# KiCad board dya-panelized.kicad_pcb
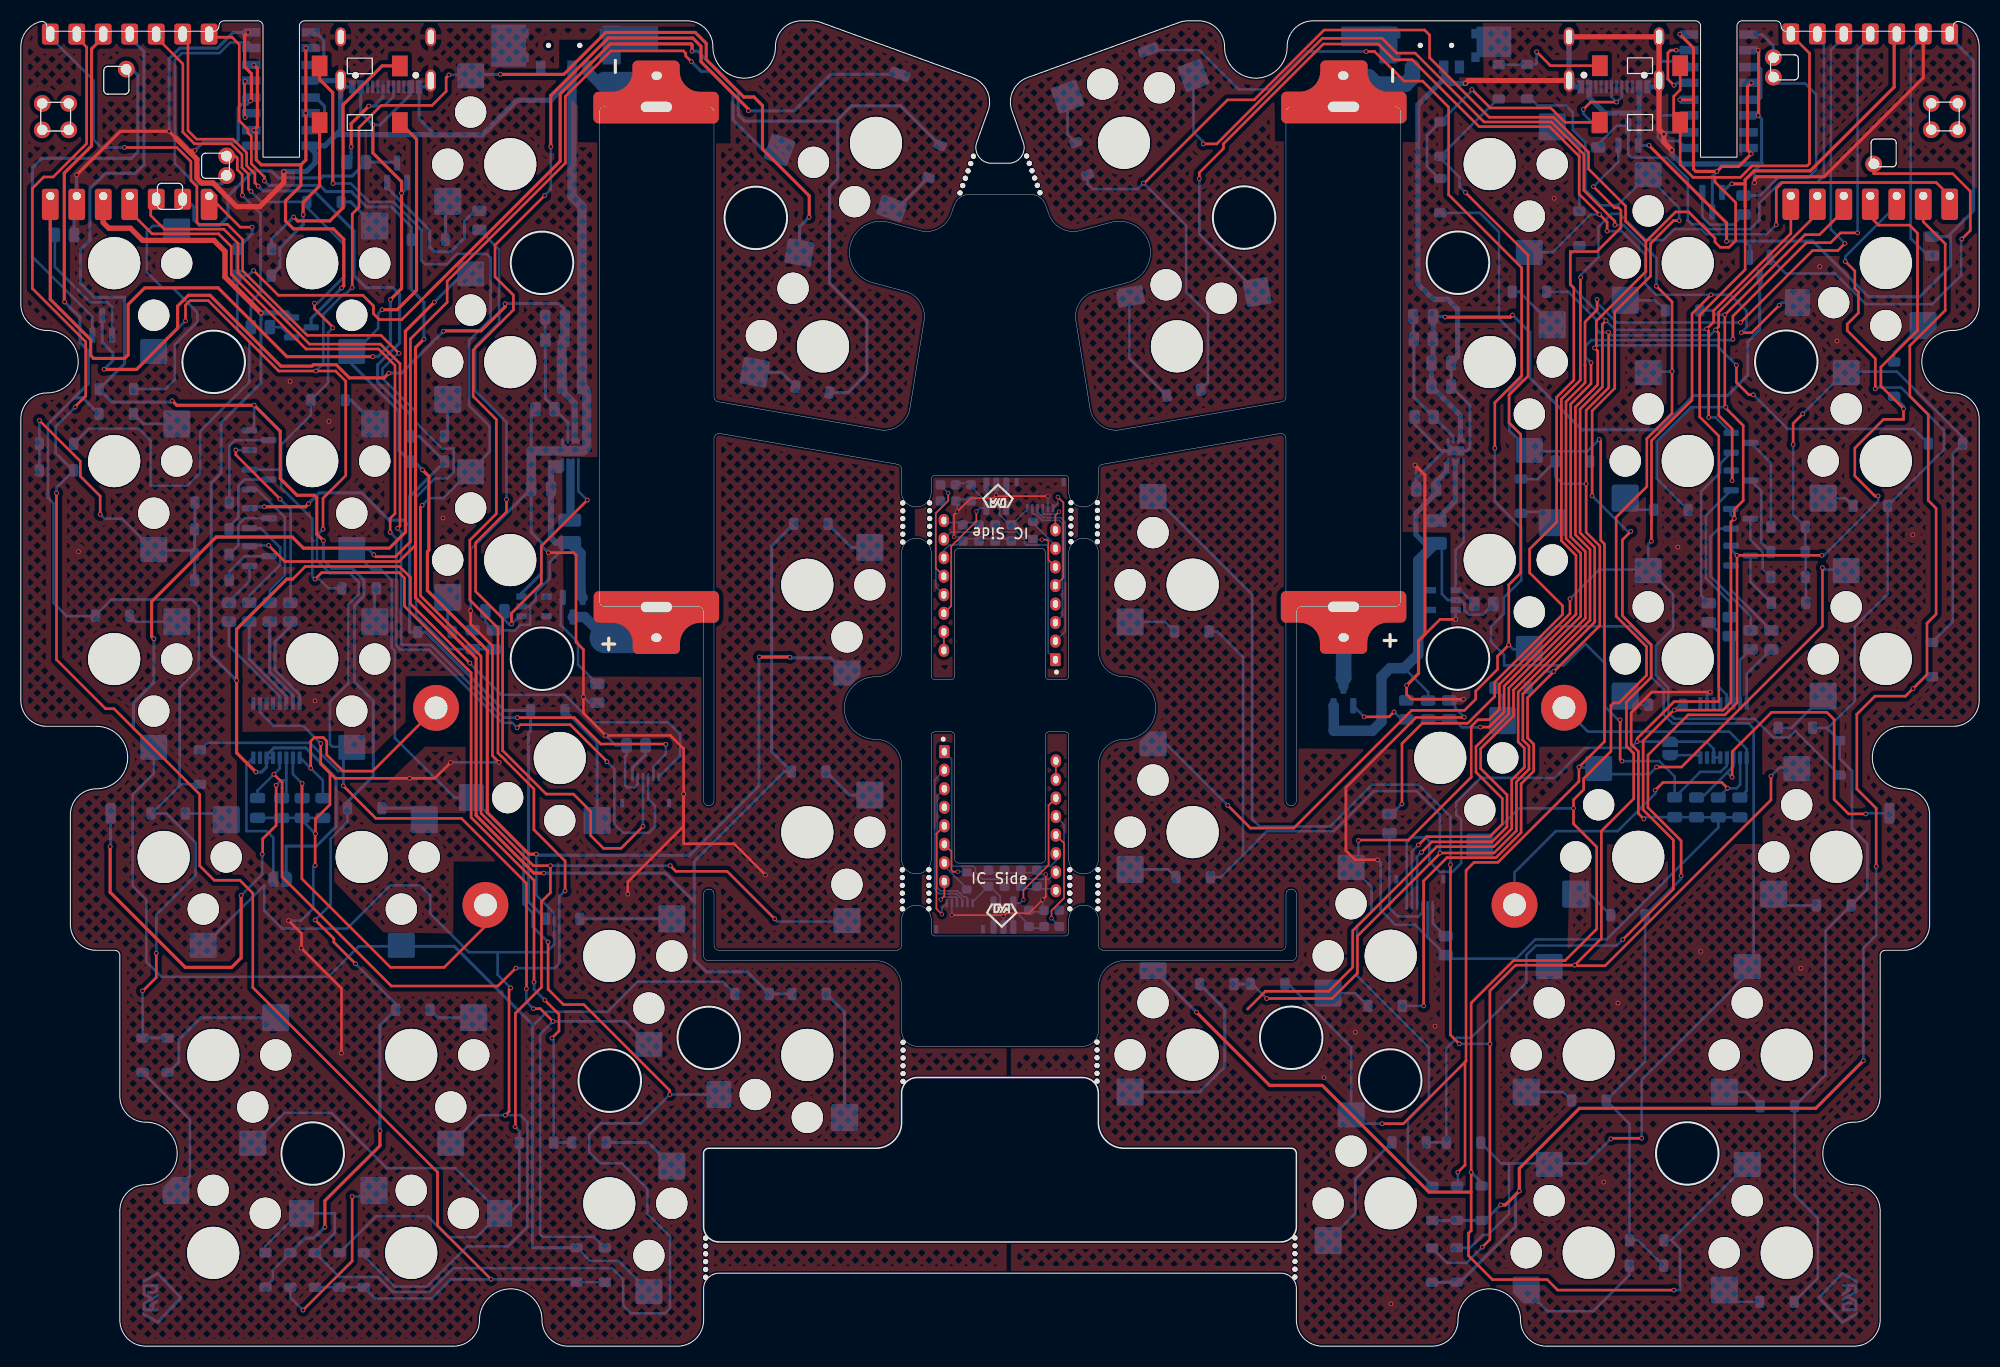
[diagram p0: board, top side]
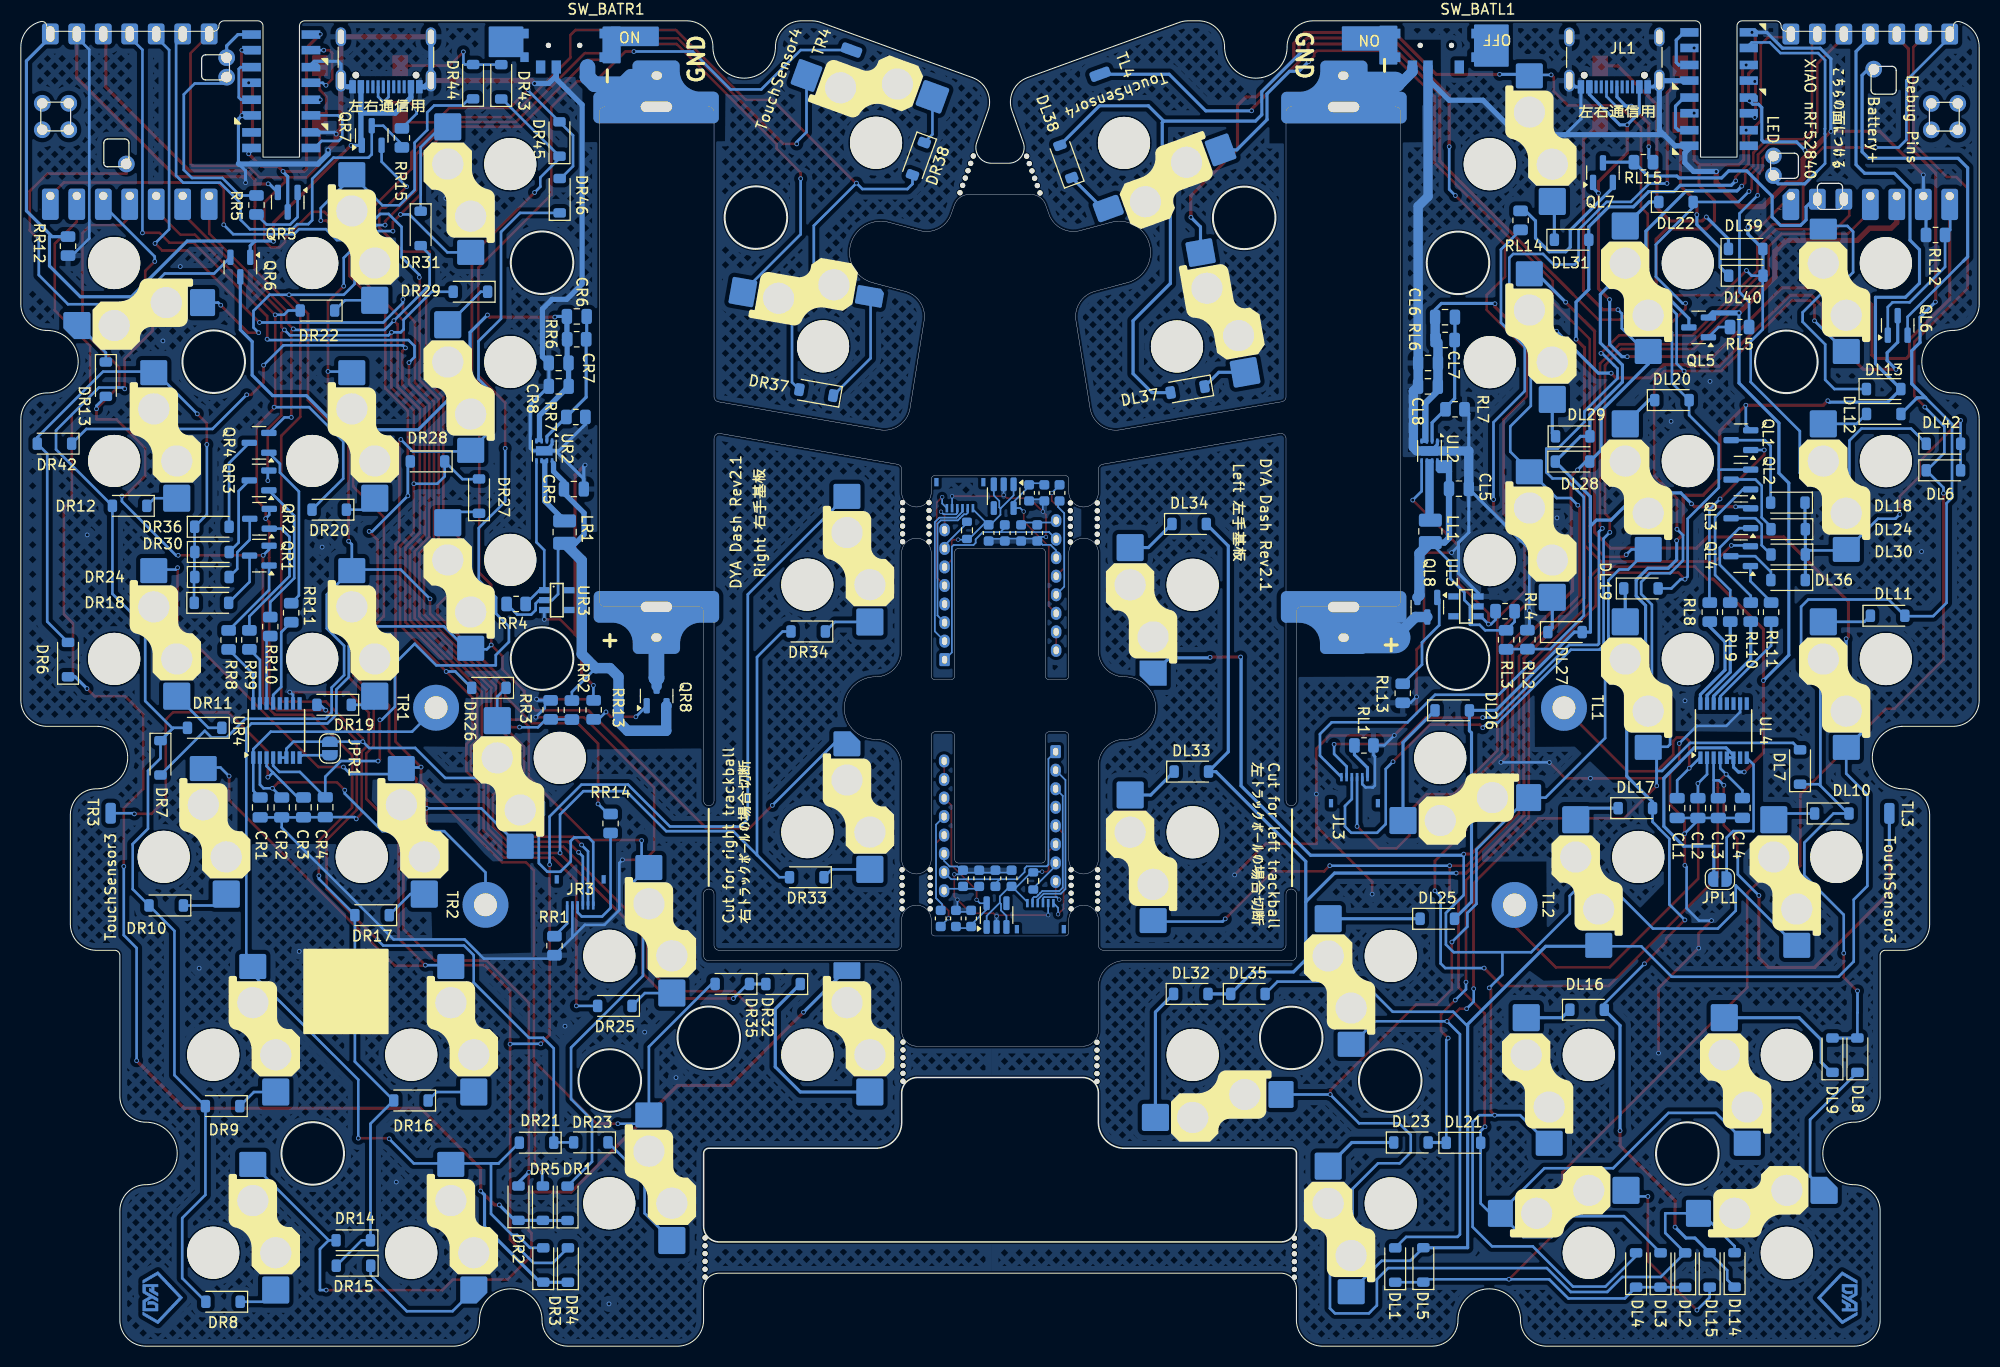
[diagram p1: board, bottom side, seen from below]

Outline 187.88 x 127.22 mm; copper layers: Top, Bottom. Coordinates in mm from the lower left corner of the outline.
Outline path: outline of 128 points within 15.5,91.49 21.5,97.49 closed ; outline of 128 points within 25,15.49 31,21.49 closed ; outline of 128 points within 47,100.99 53,106.99 closed ; outline of 128 points within 47,62.99 53,68.99 closed ; outline of 128 points within 53.5,22.49 59.5,28.49 closed ; outline of 128 points within 63,26.59 69,32.59 closed ; outline of 128 points within 67.51,105.3 73.51,111.3 closed ; outline of 128 points within 114.36,105.33 120.36,111.33 closed ; outline of 128 points within 118.87,26.6 124.87,32.6 closed ; outline of 128 points within 128.38,22.5 134.38,28.5 closed ; outline of 128 points within 134.87,101 140.87,107 closed ; outline of 128 points within 134.87,63 140.87,69 closed ; outline of 128 points within 156.88,15.5 162.88,21.5 closed ; outline of 128 points within 166.38,91.5 172.38,97.5 closed ; outline of 202 points within 65.5,10 122.37,25.79 closed ; outline of 282 points within 65.5,28.79 122.38,43.38 closed ; outline of 538 points within 79,45.33 108.88,77.56 closed ; outline of 544 points within 55.5,52.38 132.37,118.97 closed ; outline of 1754 points within 0,0 187.88,127.22 closed
Stack: Top 0.035mm / dielectric 1.51mm FR4 er 4.5 / Bottom 0.035mm

## Placement (name value [footprint] x y rotation side)
C1  100nF  [C_0603_1608Metric]  92.83 44.91 90 bottom
C3  10uF X7R  [C_0603_1608Metric]  95.94 44.91 90 bottom
C4  10nF X7R  [C_0603_1608Metric]  97.49 44.91 90 bottom
C5  100nF X7R  [C_0603_1608Metric]  99.63 41.06 90 bottom
C6  10nF  [C_0603_1608Metric]  94.38 44.91 90 bottom
C7  10uF  [C_0603_1608Metric]  98.17 41.06 90 bottom
C8  100nF  [C_0603_1608Metric]  96.71 41.06 90 bottom
CL1  ~  [C_0805_2012Metric]  28.97 51.65 270 bottom
CL2  ~  [C_0805_2012Metric]  26.98 51.65 270 bottom
CL3  ~  [C_0805_2012Metric]  25.02 51.65 270 bottom
CL4  ~  [C_0805_2012Metric]  22.71 51.66 270 bottom
CL5  10uF  [C_0805_2012Metric]  49.91 82.31 180 bottom
CL6  20pF  [C_0805_2012Metric]  51.24 98.77 180 bottom
CL7  10uF  [C_0805_2012Metric]  52.87 94.37 0 bottom
CL8  10uF  [C_0805_2012Metric]  52.88 92.13 0 bottom
CR1  ~  [C_0805_2012Metric]  164.92 51.71 270 bottom
CR2  ~  [C_0805_2012Metric]  162.85 51.71 270 bottom
CR3  ~  [C_0805_2012Metric]  160.76 51.72 270 bottom
CR4  ~  [C_0805_2012Metric]  158.67 51.73 270 bottom
CR5  10uF  [C_0805_2012Metric]  134.82 82.27 180 bottom
CR6  20pF  [C_0805_2012Metric]  134.54 98.84 180 bottom
CR7  10uF  [C_0805_2012Metric]  136.28 94.37 0 bottom
CR8  10uF  [C_0805_2012Metric]  136.27 92.13 0 bottom
DL1  D  [D_SOD-123]  56.02 7.78 90 bottom
DL2  D  [D_SOD-123]  28.2 7.3 90 bottom
DL3  D  [D_SOD-123]  30.56 7.31 90 bottom
DL4  D  [D_SOD-123]  32.91 7.31 90 bottom
DL5  D  [D_SOD-123]  53.32 7.8 90 bottom
DL6  D  [D_SOD-123]  3.43 84.07 180 bottom
DL7  D  [D_SOD-123]  17.18 55.59 90 bottom
DL8  D  [D_SOD-123]  11.68 27.93 90 bottom
DL9  D  [D_SOD-123]  14.07 27.93 90 bottom
DL10  D  [D_SOD-123]  14.14 51.13 180 bottom
DL11  D  [D_SOD-123]  8.78 70.11 180 bottom
DL12  D  [D_SOD-123]  9.16 89.48 180 bottom
DL13  D  [D_SOD-123]  9.16 91.87 180 bottom
DL14  D  [D_SOD-123]  23.46 7.32 90 bottom
DL15  D  [D_SOD-123]  25.85 7.31 90 bottom
DL16  D  [D_SOD-123]  37.62 32.29 180 bottom
DL17  D  [D_SOD-123]  32.98 51.64 180 bottom
DL18  D  [D_SOD-123]  18.36 80.97 0 bottom
DL19  D  [D_SOD-123]  32.45 72.73 180 bottom
DL20  D  [D_SOD-123]  29.48 90.81 180 bottom
DL21  D  [D_SOD-123]  49.47 19.52 180 bottom
DL22  D  [D_SOD-123]  29.09 109.83 180 bottom
DL23  D  [D_SOD-123]  54.51 19.55 180 bottom
DL24  D  [D_SOD-123]  18.32 78.42 0 bottom
DL25  D  [D_SOD-123]  51.99 41.02 180 bottom
DL26  D  [D_SOD-123]  50.55 61.03 180 bottom
DL27  D  [D_SOD-123]  39.73 68.54 180 bottom
DL28  D  [D_SOD-123]  39.01 84.91 180 bottom
DL29  D  [D_SOD-123]  38.99 87.33 180 bottom
DL30  D  [D_SOD-123]  18.32 75.99 0 bottom
DL31  D  [D_SOD-123]  39.1 106.2 180 bottom
DL32  D  [D_SOD-123]  75.64 33.81 180 bottom
DL33  D  [D_SOD-123]  75.59 55.15 180 bottom
DL34  D  [D_SOD-123]  75.79 78.92 180 bottom
DL35  D  [D_SOD-123]  70.16 33.81 180 bottom
DL36  D  [D_SOD-123]  18.33 73.54 0 bottom
DL37  D  [D_SOD-123]  75.94 91.82 350 bottom
DL38  D  [D_SOD-123]  87.62 113.72 70 bottom
DL39  D  [D_SOD-123]  22.4 105.32 180 bottom
DL40  D  [D_SOD-123]  22.38 102.75 180 bottom
DL42  D  [D_SOD-123]  3.43 86.62 180 bottom
DR1  D  [D_SOD-123]  135.42 13.71 90 bottom
DR2  D  [D_SOD-123]  140.14 13.72 90 bottom
DR3  D  [D_SOD-123]  137.76 7.79 90 bottom
DR4  D  [D_SOD-123]  135.39 7.78 90 bottom
DR5  D  [D_SOD-123]  137.79 13.72 90 bottom
DR6  D  [D_SOD-123]  183.35 65.9 90 bottom
DR7  D  [D_SOD-123]  174.48 56.47 270 bottom
DR8  D  [D_SOD-123]  168.48 4.26 0 bottom
DR9  D  [D_SOD-123]  168.52 23.04 0 bottom
DR10  D  [D_SOD-123]  173.93 42.3 0 bottom
DR11  D  [D_SOD-123]  170.24 59.35 0 bottom
DR12  D  [D_SOD-123]  177.44 80.66 0 bottom
DR13  D  [D_SOD-123]  179.72 92.82 270 bottom
DR14  D  [D_SOD-123]  155.98 10.16 0 bottom
DR15  D  [D_SOD-123]  155.96 7.72 0 bottom
DR16  D  [D_SOD-123]  150.45 23.58 0 bottom
DR17  D  [D_SOD-123]  154.18 41.37 0 bottom
DR18  D  [D_SOD-123]  169.59 71.35 180 bottom
DR19  D  [D_SOD-123]  157.82 61.56 0 bottom
DR20  D  [D_SOD-123]  158.29 80.29 0 bottom
DR21  D  [D_SOD-123]  138.4 19.53 0 bottom
DR22  D  [D_SOD-123]  159.42 99.41 0 bottom
DR23  D  [D_SOD-123]  133.19 19.56 0 bottom
DR24  D  [D_SOD-123]  169.54 73.83 180 bottom
DR25  D  [D_SOD-123]  130.89 32.66 0 bottom
DR26  D  [D_SOD-123]  142.97 63.19 0 bottom
DR27  D  [D_SOD-123]  143.92 81.59 90 bottom
DR28  D  [D_SOD-123]  148.86 84.92 0 bottom
DR29  D  [D_SOD-123]  144.74 101.21 0 bottom
DR30  D  [D_SOD-123]  169.54 76.23 180 bottom
DR31  D  [D_SOD-123]  149.52 107.29 270 bottom
DR32  D  [D_SOD-123]  114.75 34.76 0 bottom
DR33  D  [D_SOD-123]  112.48 45.01 0 bottom
DR34  D  [D_SOD-123]  112.34 68.6 0 bottom
DR35  D  [D_SOD-123]  119.62 34.77 0 bottom
DR36  D  [D_SOD-123]  169.55 78.65 180 bottom
DR37  D  [D_SOD-123]  111.56 91.53 10 bottom
DR38  D  [D_SOD-123]  101.77 113.98 290 bottom
DR42  D  [D_SOD-123]  184.65 86.63 0 bottom
DR43  D  [D_SOD-123]  141.79 121.36 90 bottom
DR44  D  [D_SOD-123]  144.49 121.38 90 bottom
DR45  D  [D_SOD-123]  136.2 115.87 90 bottom
DR46  D  [D_SOD-123]  136.18 110.43 90 bottom
J1  Conn_01x06_Pin  [JUSHUO-AFH34-S06FIA-1H]  90.07 42.53 180 bottom
JL1  USB_C_Receptacle_USB2.0_14P  [USB_C_Receptacle_G-Switch_GT-USB-7010ASV]  35 124.6 0 bottom
JL3  Conn_01x04  [JUSHUO-AFH34-S06FIA-1H]  59.93 54.62 180 bottom
JL4  Conn_01x02_Pin  [AAA-battery]  60.97 94.95 90 top
JPL1  Jumper_2_Open  [SolderJumper-2_P1.3mm_Open_RoundedPad1.0x1.5mm]  24.87 44.83 0 bottom
JPR1  Jumper_2_Open  [SolderJumper-2_P1.3mm_Open_RoundedPad1.0x1.5mm]  158.23 57.37 90 bottom
JR1  USB_C_Receptacle_USB2.0_14P  [USB_C_Receptacle_G-Switch_GT-USB-7010ASV]  152.85 124.61 0 bottom
JR3  Conn_01x04  [JUSHUO-AFH34-S06FIA-1H]  134.21 42.31 0 bottom
JR4  Conn_01x02_Pin  [AAA-battery]  126.9 94.96 90 bottom
LED_L1  SK6812  [LED_SK6812MINI-E_BL#2]  24.95 125.36 180 bottom
LED_L2  SK6812  [LED_SK6812MINI-E_BL#2]  24.95 122.23 0 bottom
LED_L3  SK6812  [LED_SK6812MINI-E_BL#2]  24.95 119.1 180 bottom
LED_L4  SK6812  [LED_SK6812MINI-E_BL#2]  24.95 115.97 0 bottom
LED_R1  SK6812  [LED_SK6812MINI-E_BL]  162.9 125.15 0 bottom
LED_R2  SK6812  [LED_SK6812MINI-E_BL]  162.9 122.02 180 bottom
LED_R3  SK6812  [LED_SK6812MINI-E_BL]  162.9 118.89 0 bottom
LED_R4  SK6812  [LED_SK6812MINI-E_BL]  162.9 115.76 180 bottom
LL1  0.47uH  [L_1008_2520Metric]  52.65 78.21 90 bottom
LR1  0.47uH  [L_1008_2520Metric]  135.71 78.14 90 bottom
NOREF  -  [unnamed]  100.63 43.48 0 top
P2_C1  100nF  [C_0603_1608Metric]  95.03 78.06 270 bottom
P2_C3  10uF X7R  [C_0603_1608Metric]  91.92 78.06 270 bottom
P2_C4  10nF X7R  [C_0603_1608Metric]  90.37 78.06 270 bottom
P2_C5  100nF X7R  [C_0603_1608Metric]  88.23 81.91 270 bottom
P2_C6  10nF  [C_0603_1608Metric]  93.48 78.06 270 bottom
P2_C7  10uF  [C_0603_1608Metric]  89.69 81.91 270 bottom
P2_C8  100nF  [C_0603_1608Metric]  91.15 81.91 270 bottom
P2_J1  Conn_01x06_Pin  [JUSHUO-AFH34-S06FIA-1H]  97.79 80.44 0 bottom
P2_R1  51kΩ  [R_0603_1608Metric]  97.11 78.31 270 bottom
P2_U1  PMW3610  [PMW3610DM-SUDU 16Pin]  93.9 72.07 270 top
P2_U2  TLV70018_SOT23-5  [SOT-23-5]  93.58 81.59 270 bottom
QL1  Q_PMOS_GSD  [SOT-23]  22.85 86.97 0 bottom
QL2  Q_PMOS_GSD  [SOT-23]  22.86 83.19 0 bottom
QL3  Q_PMOS_GSD  [SOT-23]  22.86 79.47 0 bottom
QL4  Q_PMOS_GSD  [SOT-23]  22.88 75.83 0 bottom
QL5  Q_PMOS_GSD  [SOT-23]  26.91 97.79 0 bottom
QL6  Q_PMOS_GSD  [SOT-23]  7.81 97.98 90 bottom
QL7  Q_PMOS_GSD  [SOT-23]  36.09 112.64 90 bottom
QL8  Q_PMOS_GSD  [SOT-23]  52.94 70.93 270 bottom
QR1  Q_PMOS_GSD  [SOT-23]  165 75.88 0 bottom
QR2  Q_PMOS_GSD  [SOT-23]  164.98 79.42 0 bottom
QR3  Q_PMOS_GSD  [SOT-23]  165.02 83.1 0 bottom
QR4  Q_PMOS_GSD  [SOT-23]  165.02 86.71 0 bottom
QR5  Q_PMOS_GSD  [SOT-23]  162.27 109.81 270 bottom
QR6  Q_PMOS_GSD  [SOT-23]  166.82 103.58 270 bottom
QR7  Q_PMOS_GSD  [SOT-23]  154.21 116.21 90 bottom
QR8  Q_PMOS_GSD  [SOT-23]  126.88 62.41 90 bottom
R1  51kΩ  [R_0603_1608Metric]  90.75 44.66 90 bottom
Ref**  Val**  [Mouse_Bite_Hole]  97.15 112.46 110 top
Ref**#2  Val**  [Mouse_Bite_Hole]  84.64 27.27 90 top
Ref**#3  Val**  [Mouse_Bite_Hole]  103.29 79.07 90 top
Ref**#4  Val**  [Mouse_Bite_Hole]  84.57 43.83 90 top
Ref**#5  Val**  [Mouse_Bite_Hole]  84.61 79.04 90 top
Ref**#6  Val**  [Mouse_Bite_Hole]  103.34 43.83 90 top
Ref**#7  Val**  [Mouse_Bite_Hole]  87.12 43.83 90 top
Ref**#8  Val**  [Mouse_Bite_Hole]  87.19 79.04 90 top
Ref**#9  Val**  [Mouse_Bite_Hole]  122.24 8.49 90 top
Ref**#10  Val**  [Mouse_Bite_Hole#2]  90.73 112.44 70 top
Ref**#11  Val**  [Mouse_Bite_Hole]  65.7 8.47 90 top
Ref**#12  Val**  [Mouse_Bite_Hole]  103.25 27.29 90 top
Ref**#13  Val**  [Mouse_Bite_Hole]  100.75 79.07 90 top
Ref**#14  Val**  [Mouse_Bite_Hole]  100.64 43.83 90 top
RL1  100kΩ  [R_0805_2012Metric]  59.02 57.66 0 bottom
RL2  1MΩ  [R_0805_2012Metric]  45.38 67.8 270 bottom
RL3  470kΩ  [R_0805_2012Metric]  43.34 67.82 90 bottom
RL4  100kΩ  [R_0805_2012Metric]  45.48 70.55 180 bottom
RL5  100Ω  [R_0805_2012Metric]  22.99 97.82 0 bottom
RL6  470kΩ  [R_0805_2012Metric]  51.23 96.58 180 bottom
RL7  150kΩ  [R_0805_2012Metric]  50.28 89.93 180 bottom
RL8  100Ω  [R_0805_2012Metric]  25.84 70.46 270 bottom
RL9  100Ω  [R_0805_2012Metric]  23.88 70.46 270 bottom
RL10  100Ω  [R_0805_2012Metric]  21.91 70.46 270 bottom
RL11  100Ω  [R_0805_2012Metric]  19.96 70.46 270 bottom
RL12  100kΩ  [R_0805_2012Metric]  4.18 106.66 0 bottom
RL13  100kΩ  [R_0805_2012Metric]  55.3 62.67 90 bottom
RL14  1kΩ  [R_0805_2012Metric]  43.99 108.06 270 bottom
RL15  100Ω  [R_0805_2012Metric]  32.2 113.65 0 bottom
RR1  100kΩ  [R_0805_2012Metric]  136.68 38.44 90 bottom
RR2  1MΩ  [R_0805_2012Metric]  135.01 61.06 270 bottom
RR3  470kΩ  [R_0805_2012Metric]  137.05 61.08 90 bottom
RR4  100kΩ  [R_0805_2012Metric]  140.36 71.24 0 bottom
RR5  100Ω  [R_0805_2012Metric]  165.27 109.54 270 bottom
RR6  470kΩ  [R_0805_2012Metric]  134.55 96.65 180 bottom
RR7  150kΩ  [R_0805_2012Metric]  134.63 89.19 180 bottom
RR8  100Ω  [R_0805_2012Metric]  167.94 67.79 270 bottom
RR9  100Ω  [R_0805_2012Metric]  165.95 67.8 270 bottom
RR10  100Ω  [R_0805_2012Metric]  163.95 69.07 270 bottom
RR11  100Ω  [R_0805_2012Metric]  161.94 70.4 270 bottom
RR12  100kΩ  [R_0805_2012Metric]  183.35 105.59 270 bottom
RR13  100kΩ  [R_0805_2012Metric]  132.92 61.08 90 bottom
RR14  1kΩ  [R_0805_2012Metric]  131.3 50.17 270 bottom
RR15  100Ω  [R_0805_2012Metric]  151.32 115.98 270 bottom
SW_BATL1  SW_SPDT  [MK-12C02-G015]  52.12 124.86 180 bottom
SW_BATR1  SW_SPDT  [MK-12C02-G015]  135.76 124.86 180 bottom
SWL1  SW_Push_45deg  [Kailh-PG1353-Hotswap-1U]  18.45 8.96 180 bottom
SWL2  SW_Push_45deg  [Kailh-PG1353-Hotswap-1U]  18.45 27.96 90 bottom
SWL3  SW_Push_45deg  [Kailh-PG1353-Hotswap-1U]  13.7 46.96 90 bottom
SWL4  SW_Push_45deg  [Kailh-PG1353-Hotswap-1U]  8.95 65.96 90 bottom
SWL5  SW_Push_45deg  [Kailh-PG1353-Hotswap-1U]  8.95 84.96 90 bottom
SWL6  SW_Push_45deg  [Kailh-PG1353-Hotswap-1U#2]  8.95 103.96 90 bottom
SWL7  SW_Push_45deg  [Kailh-PG1353-Hotswap-1U]  37.45 8.96 180 bottom
SWL8  SW_Push_45deg  [Kailh-PG1353-Hotswap-1U]  37.45 27.96 90 bottom
SWL9  SW_Push_45deg  [Kailh-PG1353-Hotswap-1U]  32.7 46.96 90 bottom
SWL10  SW_Push_45deg  [Kailh-PG1353-Hotswap-1U]  27.95 65.96 90 bottom
SWL11  SW_Push_45deg  [Kailh-PG1353-Hotswap-1U]  27.95 84.96 90 bottom
SWL12  SW_Push_45deg  [Kailh-PG1353-Hotswap-1U]  27.95 103.96 90 bottom
SWL13  SW_Push_45deg  [Kailh-PG1353-Hotswap-1U]  56.45 13.7 90 bottom
SWL14  SW_Push_45deg  [Kailh-PG1353-Hotswap-1U]  56.45 37.45 90 bottom
SWL15  SW_Push_45deg  [Kailh-PG1353-Hotswap-1U]  51.7 56.46 0 bottom
SWL16  SW_Push_45deg  [Kailh-PG1353-Hotswap-1U]  46.95 75.46 270 bottom
SWL17  SW_Push_45deg  [Kailh-PG1353-Hotswap-1U]  46.95 94.46 270 bottom
SWL18  SW_Push_45deg  [Kailh-PG1353-Hotswap-1U]  46.95 113.46 270 bottom
SWL19  SW_Push_45deg  [Kailh-PG1353-Hotswap-1U]  75.45 27.96 0 bottom
SWL20  SW_Push_45deg  [Kailh-PG1353-Hotswap-1U]  75.45 49.33 90 bottom
SWL21  SW_Push_45deg  [Kailh-PG1353-Hotswap-1U]  75.45 73.08 90 bottom
SWL22  SW_Push_45deg  [Kailh-PG1353-Hotswap-1U]  76.96 95.96 260 bottom
SWL23  SW_Push_45deg  [Kailh-PG1353-Hotswap-1U#3]  82.04 115.5 340 bottom
SWL24  SW_Push_45deg  [Push_PTS636SM43SMTR]  32.51 122.89 0 top
SWL25  SW_Push_45deg  [Push_PTS636SM43SMTR]  32.51 117.45 180 top
SWR1  SW_Push_45deg  [Kailh-PG1353-Hotswap-1U]  169.42 8.97 270 bottom
SWR2  SW_Push_45deg  [Kailh-PG1353-Hotswap-1U]  169.42 27.97 270 bottom
SWR3  SW_Push_45deg  [Kailh-PG1353-Hotswap-1U]  174.17 46.97 270 bottom
SWR4  SW_Push_45deg  [Kailh-PG1353-Hotswap-1U]  178.92 65.97 270 bottom
SWR5  SW_Push_45deg  [Kailh-PG1353-Hotswap-1U]  178.92 84.97 270 bottom
SWR6  SW_Push_45deg  [Kailh-PG1353-Hotswap-1U]  178.92 103.97 0 bottom
SWR7  SW_Push_45deg  [Kailh-PG1353-Hotswap-1U]  150.42 8.97 270 bottom
SWR8  SW_Push_45deg  [Kailh-PG1353-Hotswap-1U]  150.42 27.97 270 bottom
SWR9  SW_Push_45deg  [Kailh-PG1353-Hotswap-1U]  155.17 46.97 270 bottom
SWR10  SW_Push_45deg  [Kailh-PG1353-Hotswap-1U]  159.92 65.97 270 bottom
SWR11  SW_Push_45deg  [Kailh-PG1353-Hotswap-1U]  159.92 84.97 270 bottom
SWR12  SW_Push_45deg  [Kailh-PG1353-Hotswap-1U]  159.92 103.97 270 bottom
SWR13  SW_Push_45deg  [Kailh-PG1353-Hotswap-1U]  131.42 13.72 270 bottom
SWR14  SW_Push_45deg  [Kailh-PG1353-Hotswap-1U]  131.42 37.47 270 bottom
SWR15  SW_Push_45deg  [Kailh-PG1353-Hotswap-1U]  136.17 56.47 90 bottom
SWR16  SW_Push_45deg  [Kailh-PG1353-Hotswap-1U]  140.92 75.47 90 bottom
SWR17  SW_Push_45deg  [Kailh-PG1353-Hotswap-1U]  140.92 94.47 90 bottom
SWR18  SW_Push_45deg  [Kailh-PG1353-Hotswap-1U]  140.92 113.47 90 bottom
SWR19  SW_Push_45deg  [Kailh-PG1353-Hotswap-1U#4]  112.42 27.97 270 bottom
SWR20  SW_Push_45deg  [Kailh-PG1353-Hotswap-1U]  112.42 49.34 270 bottom
SWR21  SW_Push_45deg  [Kailh-PG1353-Hotswap-1U]  112.42 73.09 270 bottom
SWR22  SW_Push_45deg  [Kailh-PG1353-Hotswap-1U#5]  110.92 95.97 190 bottom
SWR23  SW_Push_45deg  [Kailh-PG1353-Hotswap-1U]  105.83 115.51 200 bottom
SWR27  SW_Push_45deg  [Push_PTS636SM43SMTR]  155.34 122.91 0 top
SWR28  SW_Push_45deg  [Push_PTS636SM43SMTR]  155.34 117.47 0 top
TL1  Conn_01x01_Pin  [MountingHole_2.2mm_M2_Pad]  39.83 61.27 90 top
TL2  Conn_01x01_Pin  [MountingHole_2.2mm_M2_Pad]  44.57 42.35 90 top
TL3  Conn_01x01_Pin  [SolderWirePad_1x01_SMD_1x2mm]  8.61 51.14 0 bottom
TL4  Conn_01x01_Pin  [SolderWirePad_1x01_SMD_1x2mm]  84.32 122.09 250 bottom
TR1  Conn_01x01_Pin  [MountingHole_2.2mm_M2_Pad]  148.04 61.28 270 top
TR2  Conn_01x01_Pin  [MountingHole_2.2mm_M2_Pad]  143.3 42.36 270 top
TR3  Conn_01x01_Pin  [SolderWirePad_1x01_SMD_1x2mm]  179.26 51.15 180 bottom
TR4  Conn_01x01_Pin  [SolderWirePad_1x01_SMD_1x2mm]  108.19 124.41 290 bottom
U1  PMW3610  [PMW3610DM-SUDU 16Pin]  93.95 50.9 90 top
U2  TLV70018_SOT23-5  [SOT-23-5]  94.27 41.38 90 bottom
UL1  XIAO-nRF52840-SMD  [XIAO-nRF52840-SMD#2]  10.44 118.02 270 bottom
UL2  TPS61021A  [WSON-8-1EP_2x2mm_P0.5mm_EP0.9x1.6mm]  52.73 85.93 270 bottom
UL3  BU42  [BU42XX]  49.23 71.01 90 bottom
UL4  TTP224  [SSOP-16_3.9x4.9mm_P0.635mm]  24.52 59.08 90 bottom
UR1  -  [XIAO-nRF52840-SMD]  177.43 118.03 90 bottom
UR2  TPS61021A  [WSON-8-1EP_2x2mm_P0.5mm_EP0.9x1.6mm]  137.66 85.94 270 bottom
UR3  BU42  [BU42XX]  136.46 71.61 270 bottom
UR4  TTP224  [SSOP-16_3.9x4.9mm_P0.635mm]  163.35 59.09 90 bottom

## Library data of the parts
C1 C5 C8 P2_C1 P2_C5 P2_C8 = -: Description: Unpolarized capacitor; LCSC: C14663; ki_fp_filters: C_*
C3 C7 P2_C3 P2_C7 = -: Description: Unpolarized capacitor; LCSC: C19702; ki_fp_filters: C_*
C4 C6 P2_C4 P2_C6 = -: Description: Unpolarized capacitor; LCSC: C57112; ki_fp_filters: C_*
CL1-CL4 CR1-CR4 = -: Description: Unpolarized capacitor; ki_fp_filters: C_*
CL5 CL7 CL8 CR5 CR7 CR8 = -: Description: Unpolarized capacitor; LCSC: C15850; ki_fp_filters: C_*
CL6 CR6 = -: Description: Unpolarized capacitor; LCSC: C1798; ki_fp_filters: C_*
DL1-DL40 DL42 DR1-DR38 DR42-DR46 = -: Description: Diode; Sim.Pins: 1=K 2=A; LCSC: C81598; ki_fp_filters: TO-???* *_Diode_* *SingleDiode* D_*
J1 P2_J1 = -: Description: Generic connector, single row, 01x06, script generated; LCSC: C5139821; ki_fp_filters: Connector*:*_1x??_*
JL1 JR1 = -: Datasheet: https://www.usb.org/sites/default/files/documents/usb_type-c.zip; Description: USB 2.0-only 14P Type-C Receptacle connector; LCSC: C2927038; ki_fp_filters: USB*C*Receptacle*
JL3 JR3 = -: Description: Generic connector, single row, 01x06, script generated (kicad-library-utils/schlib/autogen/connector/); LCSC: C5139821; ki_fp_filters: Connector*:*_1x??_*
JL4 JR4 = -: Description: Generic connector, single row, 01x02, script generated; ki_fp_filters: Connector*:*_1x??_*
JPL1 JPR1 = -: Description: Jumper, 2-pole, open; ki_fp_filters: Jumper* TestPoint*2Pads* TestPoint*Bridge*
LED_L1-LED_L4 LED_R1-LED_R4 = -: Datasheet: https://cdn-shop.adafruit.com/product-files/2686/SK6812MINI_REV.01-1-2.pdf; Description: RGB LED with integrated controller; LCSC: C5149201; ki_fp_filters: LED*SK6812MINI*PLCC*3.5x3.5mm*P1.75mm*
LL1 LR1 = -: Datasheet: MEKK2520TR47M; Description: Inductor; LCSC: C519277; ki_fp_filters: Choke_* *Coil* Inductor_* L_*
P2_R1 R1 = -: Description: Resistor; LCSC: C23196; ki_fp_filters: R_*
P2_U1 U1 = -: Description: Optical mouse sensor; Field5: Optical Center
P2_U2 U2 = -: Datasheet: http://www.ti.com/lit/ds/symlink/tlv700.pdf; Description: 200mA Low Dropout Voltage Regulator, Fixed Output 1.8V, SOT-23-5; LCSC: C79924; ki_fp_filters: SOT?23*
QL1-QL7 QR1-QR7 = -: Description: P-MOSFET transistor, gate/source/drain; LCSC: C15127
QL8 = -: Description: P-MOSFET transistor, gate/source/drain, Vth < 0.9V; LCSC: C144153
QR8 = -: Description: P-MOSFET transistor, gate/source/drain; LCSC: C144153
RL1 RL4 RL12 RL13 RR1 RR4 RR12 RR13 = -: Description: Resistor; LCSC: C149504; ki_fp_filters: R_*
RL2 RR2 = -: Description: Resistor; LCSC: C17514; ki_fp_filters: R_*
RL3 RL6 RR3 RR6 = -: Description: Resistor; LCSC: C17709; ki_fp_filters: R_*
RL5 RL8-RL11 RL15 RR5 RR8-RR11 RR15 = -: Description: Resistor; LCSC: C17408; ki_fp_filters: R_*
RL7 RR7 = -: Description: Resistor; LCSC: C17470; ki_fp_filters: R_*
RL14 RR14 = -: Description: Resistor; LCSC: C17513; ki_fp_filters: R_*
SW_BATL1 SW_BATR1 = -: Description: Switch, single pole double throw; LCSC: C2890358
SWL1-SWL23 SWR1-SWR23 = -: Description: Push button switch, normally open, two pins, 45° tilted; LCSC: C5333465
SWL24 SWL25 SWR27 SWR28 = -: Description: Push button switch, normally open, two pins, 45° tilted
TL1-TL4 TR1-TR4 = -: Description: Generic connector, single row, 01x01, script generated; ki_fp_filters: Connector*:*_1x??_*
UL2 UR2 = -: Datasheet: https://www.ti.com/cn/lit/gpn/tps61021a; LCSC: C193037
UL3 UR3 = -: Datasheet: https://jlcpcb.com/parts/componentSearch?searchTxt=BU4210G-TR; LCSC: C2066584